# Altium PCB Gatorsynth_Sequencer.PcbDoc (part 1 of 3)
Units mm, origin at the board's own origin, x right, y up, seen from the top; angles counter-clockwise.
Board outline 320 x 113.4 mm, 2 copper layers (Top Layer, Bottom Layer); 245 components, 280 nets, 1041 pads, 279 vias.
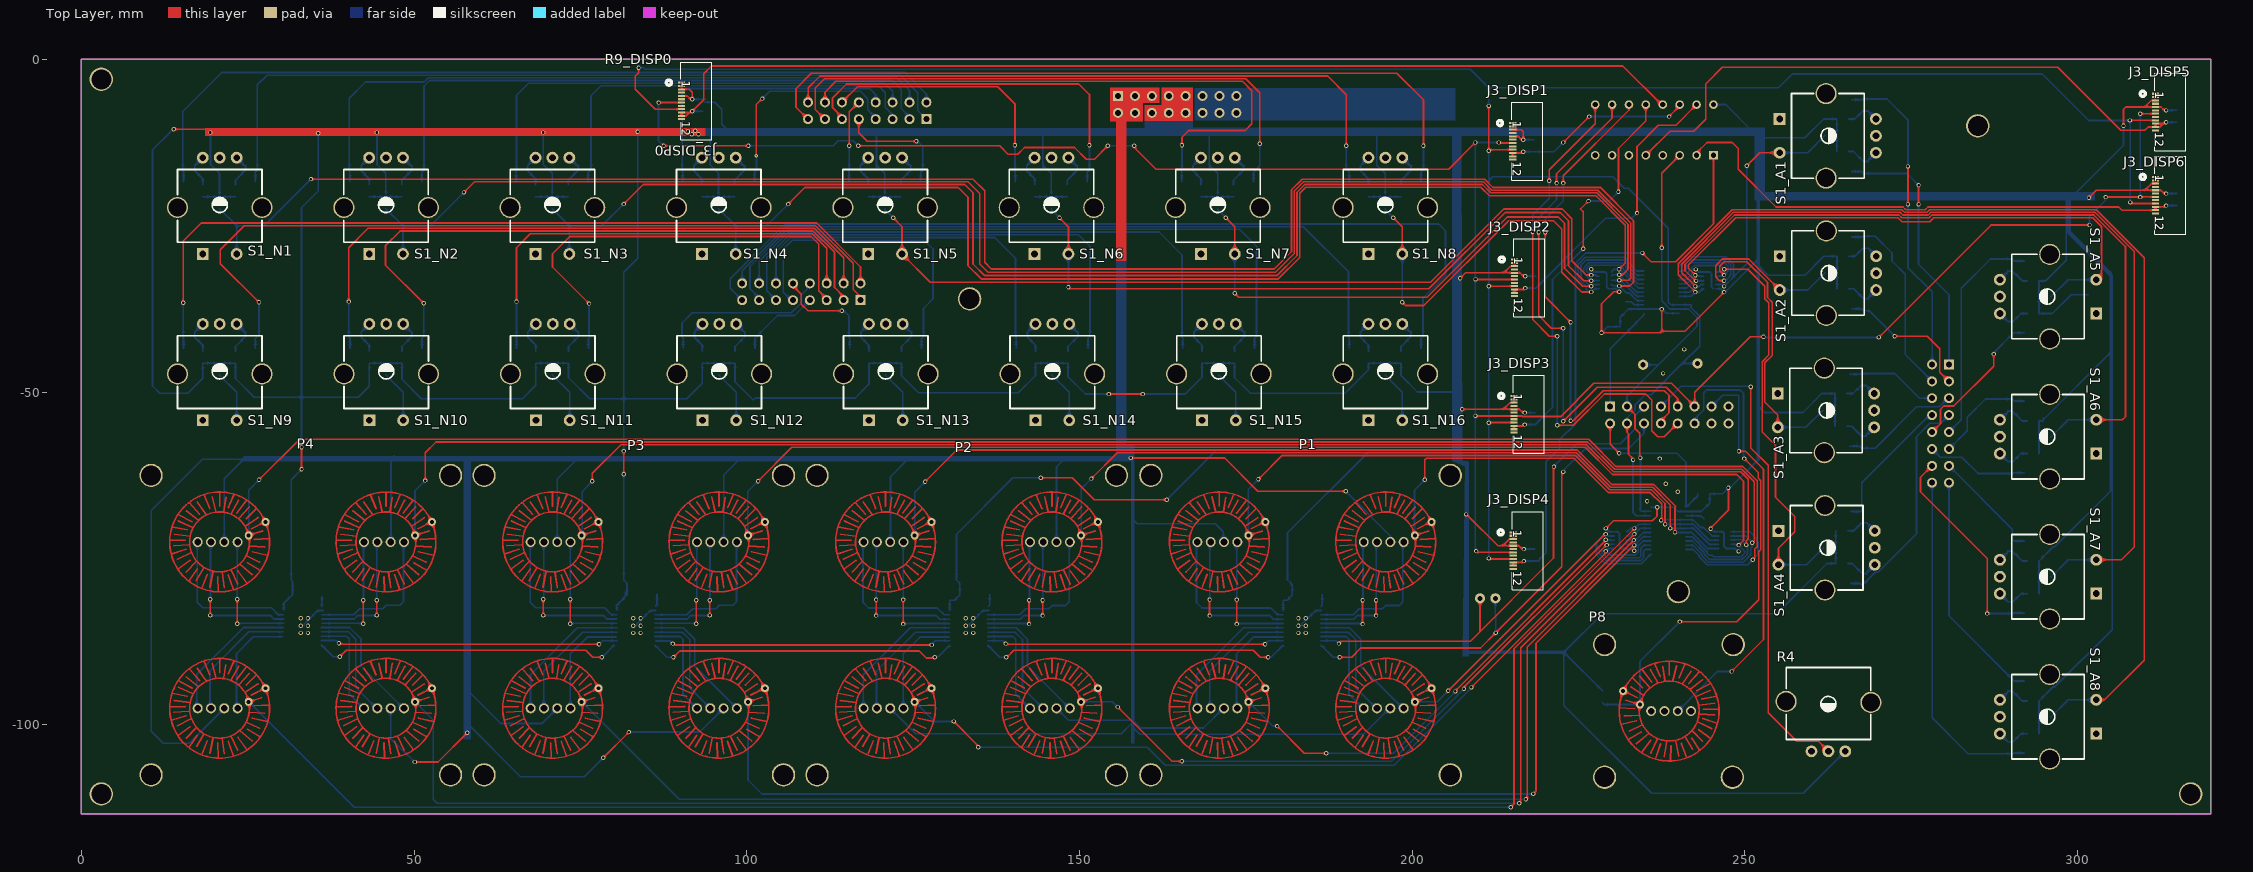
[diagram p0: Top Layer view]
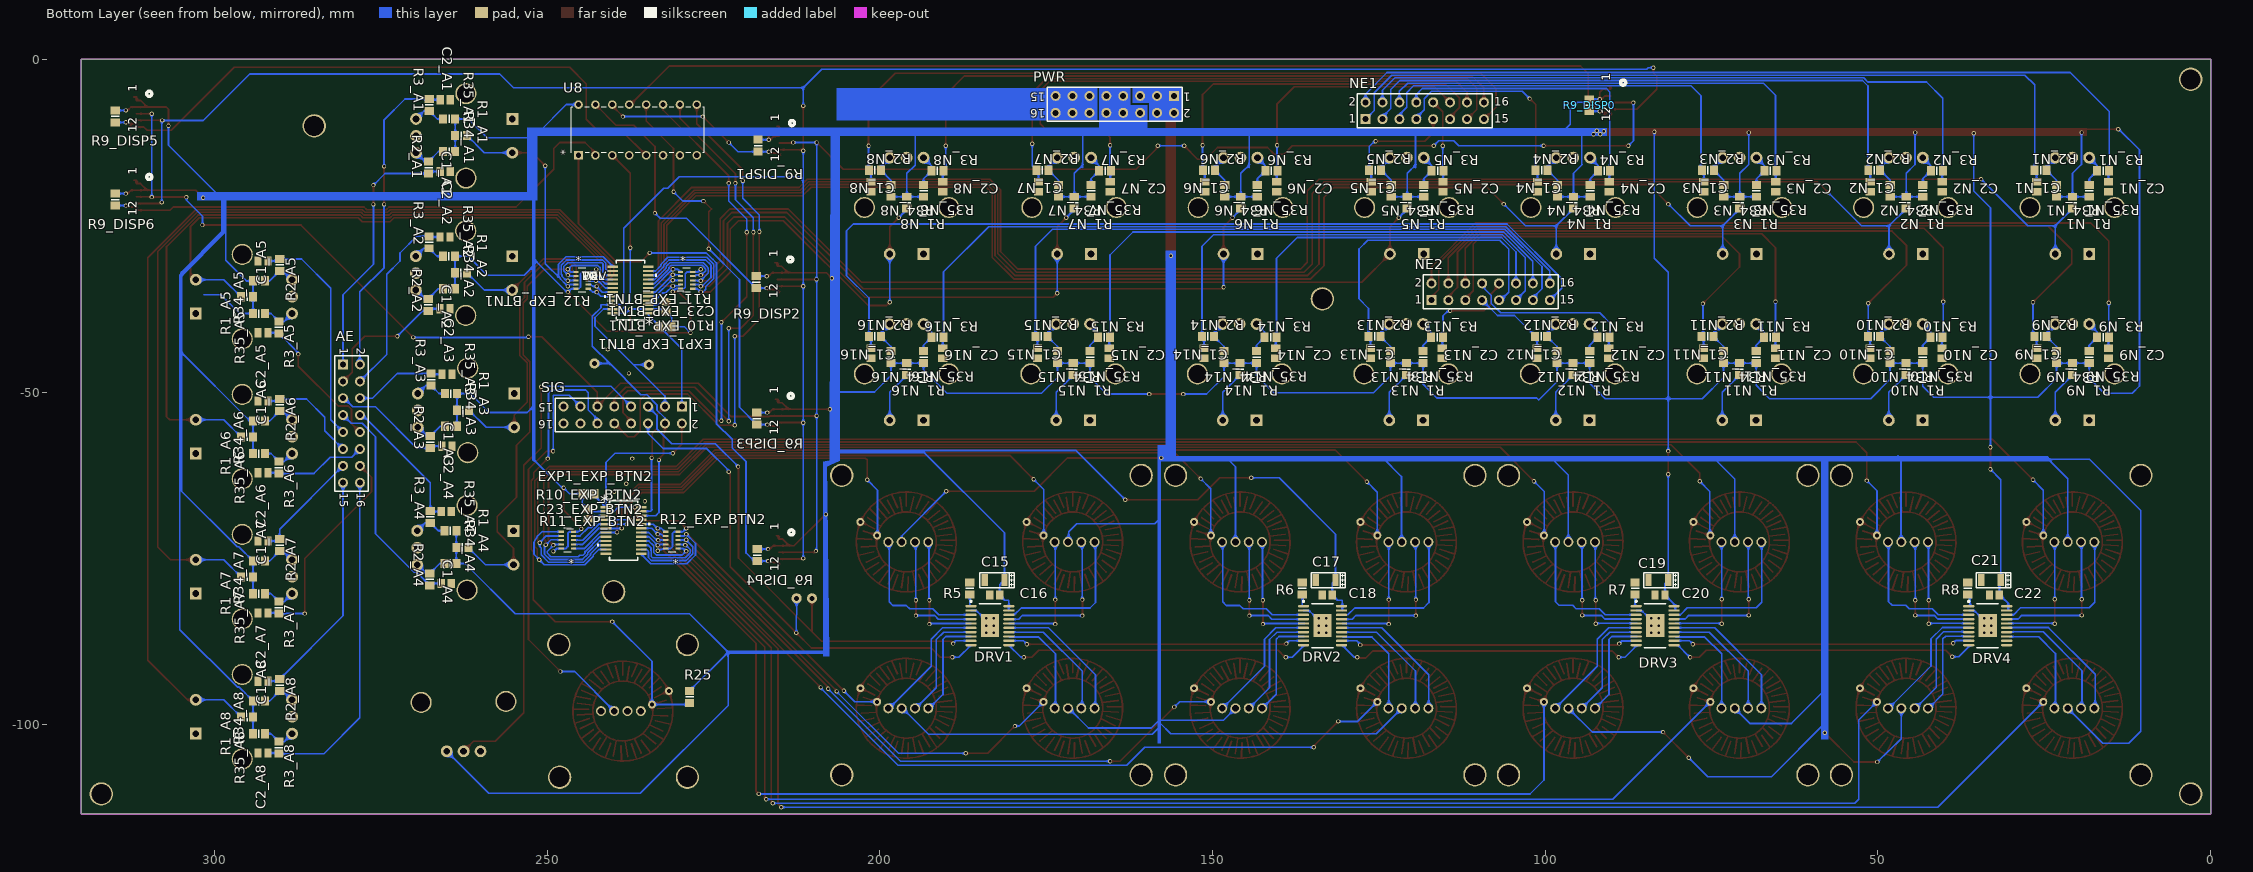
[diagram p1: Bottom Layer view, seen from below]

## Layer stack, top to bottom
Top Solder: solder mask 0.0102, Solder Resist, Dk 3.5
Top Layer: signal copper 0.0356
Dielectric 1: dielectric 0.32, FR-4, Dk 4.8
Bottom Layer: signal copper 0.0356
Bottom Solder: solder mask 0.0102, Solder Resist, Dk 3.5

## Board outline
0,-113.4 0,0 320,0 320,-113.4

## Design rules (kind name [scope] priority, off if disabled: settings)
Clearance [InPolygon] p1: gap=0.15
Clearance Clearance_1 [All] p2: gap=0.15
ComponentClearance [HasFootprint('BUTTONPAD-2X2') vs HasFootprint('BUTTONPAD-2X2')] p1: gap=0 collisioncheckmode=3 verticalgap=0 showdistances=FALSE
ComponentClearance ComponentClearance_1 [All] p2: gap=0.254 collisioncheckmode=3 verticalgap=0.254 showdistances=FALSE
PolygonConnect [All] p1: connectstyle=Relief reliefconductorwidth=0.254 reliefentries=4 polygonreliefangle="90 Angle" airgapwidth=0.254
RoomDefinition DISP0 [InComponentClass('DISP0')] p1: confinementstyle=ConfineIn formatcopy=TRUE lockcomponents=FALSE outline 95.101,0 87.5,0 87.5,-12.501 95.101,-12.501
RoomDefinition A1 [InComponentClass('A1')] p2: confinementstyle=ConfineIn formatcopy=TRUE lockcomponents=FALSE outline 270.95,-3.2 253.975,-3.2 253.975,-19.8 270.95,-19.8
RoomDefinition A2 [InComponentClass('A2')] p3: confinementstyle=ConfineIn formatcopy=TRUE lockcomponents=FALSE outline 270.975,-23.833 254,-23.833 254,-40.433 270.975,-40.433
RoomDefinition A3 [InComponentClass('A3')] p4: confinementstyle=ConfineIn formatcopy=TRUE lockcomponents=FALSE outline 270.675,-44.467 253.7,-44.467 253.7,-61.067 270.675,-61.067
RoomDefinition A4 [InComponentClass('A4')] p5: confinementstyle=ConfineIn formatcopy=TRUE lockcomponents=FALSE outline 270.775,-65.1 253.8,-65.1 253.8,-81.7 270.775,-81.7
RoomDefinition A5 [InComponentClass('A5')] p6: confinementstyle=ConfineIn formatcopy=TRUE lockcomponents=FALSE outline 304.1,-27.36 287.125,-27.36 287.125,-43.96 304.1,-43.96
RoomDefinition A6 [InComponentClass('A6')] p7: confinementstyle=ConfineIn formatcopy=TRUE lockcomponents=FALSE outline 304.1,-48.407 287.125,-48.407 287.125,-65.007 304.1,-65.007
RoomDefinition A7 [InComponentClass('A7')] p8: confinementstyle=ConfineIn formatcopy=TRUE lockcomponents=FALSE outline 304.1,-69.453 287.125,-69.453 287.125,-86.053 304.1,-86.053
RoomDefinition A8 [InComponentClass('A8')] p9: confinementstyle=ConfineIn formatcopy=TRUE lockcomponents=FALSE outline 304.1,-90.5 287.125,-90.5 287.125,-107.1 304.1,-107.1
RoomDefinition N16 [InComponentClass('N16')] p10: confinementstyle=ConfineIn formatcopy=TRUE lockcomponents=FALSE outline 187.675,-55.475 204.175,-55.475 204.175,-38.5 187.675,-38.5
RoomDefinition N6 [InComponentClass('N6')] p11: confinementstyle=ConfineIn formatcopy=TRUE lockcomponents=FALSE outline 137.5,-30.475 154,-30.475 154,-13.5 137.5,-13.5
RoomDefinition N8 [InComponentClass('N8')] p12: confinementstyle=ConfineIn formatcopy=TRUE lockcomponents=FALSE outline 187.675,-30.475 204.175,-30.475 204.175,-13.5 187.675,-13.5
RoomDefinition N9 [InComponentClass('N9')] p13: confinementstyle=ConfineIn formatcopy=TRUE lockcomponents=FALSE outline 12.5,-55.475 29,-55.475 29,-38.5 12.5,-38.5
RoomDefinition N10 [InComponentClass('N10')] p14: confinementstyle=ConfineIn formatcopy=TRUE lockcomponents=FALSE outline 37.525,-55.475 54.025,-55.475 54.025,-38.5 37.525,-38.5
RoomDefinition N12 [InComponentClass('N12')] p15: confinementstyle=ConfineIn formatcopy=TRUE lockcomponents=FALSE outline 87.575,-55.475 104.075,-55.475 104.075,-38.5 87.575,-38.5
RoomDefinition N11 [InComponentClass('N11')] p16: confinementstyle=ConfineIn formatcopy=TRUE lockcomponents=FALSE outline 62.55,-55.475 79.05,-55.475 79.05,-38.5 62.55,-38.5
RoomDefinition N13 [InComponentClass('N13')] p17: confinementstyle=ConfineIn formatcopy=TRUE lockcomponents=FALSE outline 112.6,-55.475 129.1,-55.475 129.1,-38.5 112.6,-38.5
RoomDefinition N14 [InComponentClass('N14')] p18: confinementstyle=ConfineIn formatcopy=TRUE lockcomponents=FALSE outline 137.625,-55.475 154.125,-55.475 154.125,-38.5 137.625,-38.5
RoomDefinition N15 [InComponentClass('N15')] p19: confinementstyle=ConfineIn formatcopy=TRUE lockcomponents=FALSE outline 162.65,-55.475 179.15,-55.475 179.15,-38.5 162.65,-38.5
RoomDefinition N7 [InComponentClass('N7')] p20: confinementstyle=ConfineIn formatcopy=TRUE lockcomponents=FALSE outline 162.5,-30.475 179,-30.475 179,-13.5 162.5,-13.5
RoomDefinition N1 [InComponentClass('N1')] p21: confinementstyle=ConfineIn formatcopy=TRUE lockcomponents=FALSE outline 12.5,-30.475 29,-30.475 29,-13.5 12.5,-13.5
RoomDefinition N2 [InComponentClass('N2')] p22: confinementstyle=ConfineIn formatcopy=TRUE lockcomponents=FALSE outline 37.5,-30.475 54,-30.475 54,-13.5 37.5,-13.5
RoomDefinition N3 [InComponentClass('N3')] p23: confinementstyle=ConfineIn formatcopy=TRUE lockcomponents=FALSE outline 62.5,-30.475 79,-30.475 79,-13.5 62.5,-13.5
RoomDefinition N4 [InComponentClass('N4')] p24: confinementstyle=ConfineIn formatcopy=TRUE lockcomponents=FALSE outline 87.5,-30.475 104,-30.475 104,-13.5 87.5,-13.5
RoomDefinition N5 [InComponentClass('N5')] p25: confinementstyle=ConfineIn formatcopy=TRUE lockcomponents=FALSE outline 112.5,-30.475 129,-30.475 129,-13.5 112.5,-13.5
RoomDefinition BTN [InComponentClass('BTN')] p26: confinementstyle=ConfineIn formatcopy=TRUE lockcomponents=FALSE outline -277.5,-405.9 -226.7,-405.9 -226.7,-380.5 -277.5,-380.5
RoomDefinition EXP_BTN2 [InComponentClass('EXP_BTN2')] p27: confinementstyle=ConfineIn formatcopy=TRUE lockcomponents=FALSE outline 226.4,-76.2 251.8,-76.2 251.8,-63.6 226.4,-63.6
RoomDefinition EXP_BTN1 [InComponentClass('EXP_BTN1')] p28: confinementstyle=ConfineIn formatcopy=TRUE lockcomponents=FALSE outline 249.575,-29.275 224.175,-29.275 224.175,-41.875 249.575,-41.875
RoomDefinition DISP6 [InComponentClass('DISP6')] p29: confinementstyle=ConfineIn formatcopy=TRUE lockcomponents=FALSE outline 316.601,-14.176 309,-14.176 309,-26.677 316.601,-26.677
RoomDefinition DISP5 [InComponentClass('DISP5')] p30: confinementstyle=ConfineIn formatcopy=TRUE lockcomponents=FALSE outline 316.601,-1.675 309,-1.675 309,-14.176 316.601,-14.176
RoomDefinition DISP4 [InComponentClass('DISP4')] p31: confinementstyle=ConfineIn formatcopy=TRUE lockcomponents=FALSE outline 220.101,-67.599 212.5,-67.599 212.5,-80.1 220.101,-80.1
RoomDefinition DISP3 [InComponentClass('DISP3')] p32: confinementstyle=ConfineIn formatcopy=TRUE lockcomponents=FALSE outline 220.201,-47.091 212.6,-47.091 212.6,-59.592 220.201,-59.592
RoomDefinition DISP2 [InComponentClass('DISP2')] p33: confinementstyle=ConfineIn formatcopy=TRUE lockcomponents=FALSE outline 220.276,-26.583 212.675,-26.583 212.675,-39.084 220.276,-39.084
RoomDefinition DISP1 [InComponentClass('DISP1')] p34: confinementstyle=ConfineIn formatcopy=TRUE lockcomponents=FALSE outline 220.001,-6.075 212.4,-6.075 212.4,-18.576 220.001,-18.576
RoutingVias [All] p1: holewidth=0.711 width=1.27 viastyle="Through Hole" minholewidth=0.711 minwidth=1.27 maxholewidth=0.711 maxwidth=1.27
SolderMaskExpansion [All] p1: expansion=0.102
Width [All] p1: maxlimit=2 minlimit=0.254 preferedwidth=0.254
29 further rules are at their usual default settings.

## Classes and differential pairs
channel class Ribbon_Connectors: RIB0 RIB1 RIB2 RIB3 RIB4
component class RIB3: AE
component class RIB2: NE2
component class RIB1: AE
component class Top_Level: P8 R25
channel class CV_Control: "CV Control1" "CV Control2"
channel class Displays: U_Displays1 U_Displays2 U_Displays3 U_Displays4 U_Displays5 U_Displays6 U_Displays7 U_Displays8
channel class Encoders: "AUX Encoders1" "AUX Encoders2" "AUX Encoders3" "AUX Encoders4" "AUX Encoders5" "AUX Encoders6" "AUX Encoders7" "AUX Encoders8" "NOTE Encoders1" "NOTE Encoders2" "NOTE Encoders3" "NOTE Encoders4" "NOTE Encoders5" "NOTE Encoders6" "NOTE Encoders7" "NOTE Encoders8" "NOTE Encoders9" "NOTE Encoders10" "NOTE Encoders11" "NOTE Encoders12" "NOTE Encoders13" "NOTE Encoders14" "NOTE Encoders15" "NOTE Encoders16"
channel class Expanders: ButtonExpanders NoteExpanders
channel class Gate_Control: "Gate Control1" "Gate Control2"
channel class Jack_Out: Jack_Out1 Jack_Out2 Jack_Out3 Jack_Out4 Jack_Out5 Jack_Out6 Jack_Out7 Jack_Out8 Jack_Out9
component class DISP1: J3_DISP1 R9_DISP1
component class DISP2: J3_DISP2 R9_DISP2
component class DISP3: J3_DISP3 R9_DISP3
component class DISP4: J3_DISP4 R9_DISP4
component class DISP5: J3_DISP5 R9_DISP5
component class DISP6: J3_DISP6 R9_DISP6
component class MUX: U8
component class A1: C1_A1 C2_A1 R1_A1 R2_A1 R3_A1 R34_A1 R35_A1 S1_A1
component class A2: C1_A2 C2_A2 R1_A2 R2_A2 R3_A2 R34_A2 R35_A2 S1_A2
component class A3: C1_A3 C2_A3 R1_A3 R2_A3 R3_A3 R34_A3 R35_A3 S1_A3
component class A4: C1_A4 C2_A4 R1_A4 R2_A4 R3_A4 R34_A4 R35_A4 S1_A4
component class A5: C1_A5 C2_A5 R1_A5 R2_A5 R3_A5 R34_A5 R35_A5 S1_A5
component class A6: C1_A6 C2_A6 R1_A6 R2_A6 R3_A6 R34_A6 R35_A6 S1_A6
component class A7: C1_A7 C2_A7 R1_A7 R2_A7 R3_A7 R34_A7 R35_A7 S1_A7
component class BTN: C15 C16 C17 C18 C19 C20 C21 C22 DRV1 DRV2 DRV3 DRV4 P1 P2 P3 R5 R6 R7 R8
component class DISP0: J3_DISP0 R9_DISP0
component class EXP_BTN1: C23_EXP_BTN1 EXP1_EXP_BTN1 R10_EXP_BTN1 R11_EXP_BTN1 R12_EXP_BTN1
component class EXP_BTN2: C23_EXP_BTN2 EXP1_EXP_BTN2 R10_EXP_BTN2 R11_EXP_BTN2 R12_EXP_BTN2
component class N1: C1_N1 C2_N1 R1_N1 R2_N1 R3_N1 R34_N1 R35_N1 S1_N1
component class N2: C1_N2 C2_N2 R1_N2 R2_N2 R3_N2 R34_N2 R35_N2 S1_N2
component class N3: C1_N3 C2_N3 R1_N3 R2_N3 R3_N3 R34_N3 R35_N3 S1_N3
component class N4: C1_N4 C2_N4 R1_N4 R2_N4 R3_N4 R34_N4 R35_N4 S1_N4
component class N5: C1_N5 C2_N5 R1_N5 R2_N5 R3_N5 R34_N5 R35_N5 S1_N5
component class N6: C1_N6 C2_N6 R1_N6 R2_N6 R3_N6 R34_N6 R35_N6 S1_N6
component class N7: C1_N7 C2_N7 R1_N7 R2_N7 R3_N7 R34_N7 R35_N7 S1_N7
component class N8: C1_N8 C2_N8 R1_N8 R2_N8 R3_N8 R34_N8 R35_N8 S1_N8
component class N9: C1_N9 C2_N9 R1_N9 R2_N9 R3_N9 R34_N9 R35_N9 S1_N9
component class N10: C1_N10 C2_N10 R1_N10 R2_N10 R3_N10 R34_N10 R35_N10 S1_N10
component class N11: C1_N11 C2_N11 R1_N11 R2_N11 R3_N11 R34_N11 R35_N11 S1_N11
component class N12: C1_N12 C2_N12 R1_N12 R2_N12 R3_N12 R34_N12 R35_N12 S1_N12
component class N13: C1_N13 C2_N13 R1_N13 R2_N13 R3_N13 R34_N13 R35_N13 S1_N13
component class N14: C1_N14 C2_N14 R1_N14 R2_N14 R3_N14 R34_N14 R35_N14 S1_N14
component class N15: C1_N15 C2_N15 R1_N15 R2_N15 R3_N15 R34_N15 R35_N15 S1_N15
component class PWR: C28 U7
component class A8: C1_A8 C2_A8 R1_A8 R2_A8 R3_A8 R34_A8 R35_A8 S1_A8
component class N16: C1_N16 C2_N16 R1_N16 R2_N16 R3_N16 R34_N16 R35_N16 S1_N16

## Components (designator, comment, footprint, x,y, rotation, side; value= is the part's Value field where it differs from the comment)
AE "Header 8X2" HDR2X8 280.675,-45.85 r270 bottom (schematic designator P9)
C1_A1 "A_LPF" C0805 265.322,-16.86 r0 bottom (schematic designator C1)
C1_A2 "A_LPF" C0805 265.347,-37.493 r0 bottom (schematic designator C1)
C1_A3 "A_LPF" C0805 265.047,-58.127 r0 bottom (schematic designator C1)
C1_A4 "A_LPF" C0805 265.147,-78.76 r0 bottom (schematic designator C1)
C1_A5 "A_LPF" C0805 292.7,-30.3 r180 bottom (schematic designator C1)
C1_A6 "A_LPF" C0805 292.7,-51.347 r180 bottom (schematic designator C1)
C1_A7 "A_LPF" C0805 292.7,-72.393 r180 bottom (schematic designator C1)
C1_A8 "A_LPF" C0805 292.7,-93.44 r180 bottom (schematic designator C1)
C1_N1 "A_LPF" C0805 26.16,-19.153 r90 bottom (schematic designator C1)
C1_N2 "A_LPF" C0805 51.16,-19.153 r90 bottom (schematic designator C1)
C1_N3 "A_LPF" C0805 76.16,-19.153 r90 bottom (schematic designator C1)
C1_N4 "A_LPF" C0805 101.16,-19.153 r90 bottom (schematic designator C1)
C1_N5 "A_LPF" C0805 126.16,-19.153 r90 bottom (schematic designator C1)
C1_N6 "A_LPF" C0805 151.16,-19.153 r90 bottom (schematic designator C1)
C1_N7 "A_LPF" C0805 176.16,-19.153 r90 bottom (schematic designator C1)
C1_N8 "A_LPF" C0805 201.335,-19.153 r90 bottom (schematic designator C1)
C1_N9 "A_LPF" C0805 26.16,-44.153 r90 bottom (schematic designator C1)
C1_N10 "A_LPF" C0805 51.185,-44.153 r90 bottom (schematic designator C1)
C1_N11 "A_LPF" C0805 76.21,-44.153 r90 bottom (schematic designator C1)
C1_N12 "A_LPF" C0805 101.235,-44.153 r90 bottom (schematic designator C1)
C1_N13 "A_LPF" C0805 126.26,-44.153 r90 bottom (schematic designator C1)
C1_N14 "A_LPF" C0805 151.285,-44.153 r90 bottom (schematic designator C1)
C1_N15 "A_LPF" C0805 176.31,-44.153 r90 bottom (schematic designator C1)
C1_N16 "A_LPF" C0805 201.335,-44.153 r90 bottom (schematic designator C1)
C2_A1 "B_LPF" C0805 265.322,-6.06 r0 bottom (schematic designator C2)
C2_A2 "B_LPF" C0805 265.347,-26.693 r0 bottom (schematic designator C2)
C2_A3 "B_LPF" C0805 265.047,-47.327 r0 bottom (schematic designator C2)
C2_A4 "B_LPF" C0805 265.147,-67.96 r0 bottom (schematic designator C2)
C2_A5 "B_LPF" C0805 292.7,-41.1 r180 bottom (schematic designator C2)
C2_A6 "B_LPF" C0805 292.7,-62.147 r180 bottom (schematic designator C2)
C2_A7 "B_LPF" C0805 292.7,-83.193 r180 bottom (schematic designator C2)
C2_A8 "B_LPF" C0805 292.7,-104.24 r180 bottom (schematic designator C2)
C2_N1 "B_LPF" C0805 15.36,-19.153 r90 bottom (schematic designator C2)
C2_N2 "B_LPF" C0805 40.36,-19.153 r90 bottom (schematic designator C2)
C2_N3 "B_LPF" C0805 65.36,-19.153 r90 bottom (schematic designator C2)
C2_N4 "B_LPF" C0805 90.36,-19.153 r90 bottom (schematic designator C2)
C2_N5 "B_LPF" C0805 115.36,-19.153 r90 bottom (schematic designator C2)
C2_N6 "B_LPF" C0805 140.36,-19.153 r90 bottom (schematic designator C2)
C2_N7 "B_LPF" C0805 165.36,-19.153 r90 bottom (schematic designator C2)
C2_N8 "B_LPF" C0805 190.535,-19.153 r90 bottom (schematic designator C2)
C2_N9 "B_LPF" C0805 15.36,-44.153 r90 bottom (schematic designator C2)
C2_N10 "B_LPF" C0805 40.385,-44.153 r90 bottom (schematic designator C2)
C2_N11 "B_LPF" C0805 65.41,-44.153 r90 bottom (schematic designator C2)
C2_N12 "B_LPF" C0805 90.435,-44.153 r90 bottom (schematic designator C2)
C2_N13 "B_LPF" C0805 115.46,-44.153 r90 bottom (schematic designator C2)
C2_N14 "B_LPF" C0805 140.485,-44.153 r90 bottom (schematic designator C2)
C2_N15 "B_LPF" C0805 165.51,-44.153 r90 bottom (schematic designator C2)
C2_N16 "B_LPF" C0805 190.535,-44.153 r90 bottom (schematic designator C2)
C15 "" AP1-00036 182.75,-78.25 r0 bottom
C16 "Cap" C0805 182.75,-80.5 r180 bottom
C17 "" AP1-00036 133,-78.25 r0 bottom
C18 "Cap" C0805 132.75,-80.5 r180 bottom
C19 "" AP1-00036 83,-78.25 r0 bottom
C20 "Cap" C0805 82.75,-80.5 r180 bottom
C21 "" AP1-00036 33,-78.25 r0 bottom
C22 "Cap" C0805 32.5,-80.5 r180 bottom
C23_EXP_BTN1 "Cap" C0805 232.129,-37.167 r90 bottom (schematic designator C23)
C23_EXP_BTN2 "Cap" C0805 243.846,-68.308 r270 bottom (schematic designator C23)
DRV1 "TLC5971PWPR" TI-PWP20-2965X2290TP_N 183.455,-85.107 r180 bottom
DRV2 "TLC5971PWPR" TI-PWP20-2965X2290TP_N 133.473,-85.107 r180 bottom
DRV3 "TLC5971PWPR" TI-PWP20-2965X2290TP_N 83.491,-85.107 r180 bottom
DRV4 "TLC5971PWPR" TI-PWP20-2965X2290TP_N 33.508,-85.107 r180 bottom
EXP1_EXP_BTN1 "MAX7314AEGT" 21-0055H_24 237.475,-34.675 r0 bottom (schematic designator EXP1)
EXP1_EXP_BTN2 "MAX7314AEGT" 21-0055H_24 238.5,-70.8 r180 bottom (schematic designator EXP1)
J3_DISP0 "1-1734839-2" CONN_1-1734592-2 90.201,-9 r270 top (schematic designator J3)
J3_DISP1 "1-1734839-2" CONN_1-1734592-2 215.101,-15.075 r270 top (schematic designator J3)
J3_DISP2 "1-1734839-2" CONN_1-1734592-2 215.376,-35.583 r270 top (schematic designator J3)
J3_DISP3 "1-1734839-2" CONN_1-1734592-2 215.301,-56.091 r270 top (schematic designator J3)
J3_DISP4 "1-1734839-2" CONN_1-1734592-2 215.201,-76.599 r270 top (schematic designator J3)
J3_DISP5 "1-1734839-2" CONN_1-1734592-2 311.701,-10.675 r270 top (schematic designator J3)
J3_DISP6 "1-1734839-2" CONN_1-1734592-2 311.701,-23.176 r270 top (schematic designator J3)
NE1 "Header 8X2" HDR2X8 127,-9 r180 bottom (schematic designator P9)
NE2 "Header 8X2" HDR2X8 117.1,-36.2 r180 bottom (schematic designator P9)
P1 "BUTTONPAD" BUTTONPAD-2X2 208.232,-109.902 r180 top locked
P2 "BUTTONPAD" BUTTONPAD-2X2 158.069,-109.902 r180 top locked
P3 "BUTTONPAD" BUTTONPAD-2X2 108.031,-109.902 r180 top locked
P4 "BUTTONPAD" BUTTONPAD-2X2 57.993,-109.902 r180 top locked
P8 "BUTTONPAD-1X1" BUTTONPAD-1X1 226.5,-110.3 r0 top
PWR "Header 8X2" HDR2X8 155.8,-5.5 r0 bottom (schematic designator P9)
R1_A1 "Button Pullup" 6-0805_N 262.922,-11.46 r180 bottom (schematic designator R1)
R1_A2 "Button Pullup" 6-0805_N 262.947,-32.093 r180 bottom (schematic designator R1)
R1_A3 "Button Pullup" 6-0805_N 262.647,-52.727 r180 bottom (schematic designator R1)
R1_A4 "Button Pullup" 6-0805_N 262.747,-73.36 r180 bottom (schematic designator R1)
R1_A5 "Button Pullup" 6-0805_N 295.1,-35.7 r0 bottom (schematic designator R1)
R1_A6 "Button Pullup" 6-0805_N 295.1,-56.747 r0 bottom (schematic designator R1)
R1_A7 "Button Pullup" 6-0805_N 295.1,-77.793 r0 bottom (schematic designator R1)
R1_A8 "Button Pullup" 6-0805_N 295.1,-98.84 r0 bottom (schematic designator R1)
R1_N1 "Button Pullup" 6-0805_N 20.76,-21.553 r270 bottom (schematic designator R1)
R1_N2 "Button Pullup" 6-0805_N 45.76,-21.553 r270 bottom (schematic designator R1)
R1_N3 "Button Pullup" 6-0805_N 70.76,-21.553 r270 bottom (schematic designator R1)
R1_N4 "Button Pullup" 6-0805_N 95.76,-21.553 r270 bottom (schematic designator R1)
R1_N5 "Button Pullup" 6-0805_N 120.76,-21.553 r270 bottom (schematic designator R1)
R1_N6 "Button Pullup" 6-0805_N 145.76,-21.553 r270 bottom (schematic designator R1)
R1_N7 "Button Pullup" 6-0805_N 170.76,-21.553 r270 bottom (schematic designator R1)
R1_N8 "Button Pullup" 6-0805_N 195.935,-21.553 r270 bottom (schematic designator R1)
R1_N9 "Button Pullup" 6-0805_N 20.76,-46.553 r270 bottom (schematic designator R1)
R1_N10 "Button Pullup" 6-0805_N 45.785,-46.553 r270 bottom (schematic designator R1)
R1_N11 "Button Pullup" 6-0805_N 70.81,-46.553 r270 bottom (schematic designator R1)
R1_N12 "Button Pullup" 6-0805_N 95.835,-46.553 r270 bottom (schematic designator R1)
R1_N13 "Button Pullup" 6-0805_N 120.86,-46.553 r270 bottom (schematic designator R1)
R1_N14 "Button Pullup" 6-0805_N 145.885,-46.553 r270 bottom (schematic designator R1)
R1_N15 "Button Pullup" 6-0805_N 170.91,-46.553 r270 bottom (schematic designator R1)
R1_N16 "Button Pullup" 6-0805_N 195.935,-46.553 r270 bottom (schematic designator R1)
R2_A1 "A_LPF" 6-0805_N 267.822,-16.26 r270 bottom (schematic designator R2)
R2_A2 "A_LPF" 6-0805_N 267.847,-36.893 r270 bottom (schematic designator R2)
R2_A3 "A_LPF" 6-0805_N 267.547,-57.527 r270 bottom (schematic designator R2)
R2_A4 "A_LPF" 6-0805_N 267.647,-78.16 r270 bottom (schematic designator R2)
R2_A5 "A_LPF" 6-0805_N 290.2,-30.9 r90 bottom (schematic designator R2)
R2_A6 "A_LPF" 6-0805_N 290.2,-51.947 r90 bottom (schematic designator R2)
R2_A7 "A_LPF" 6-0805_N 290.2,-72.993 r90 bottom (schematic designator R2)
R2_A8 "A_LPF" 6-0805_N 290.2,-94.04 r90 bottom (schematic designator R2)
R2_N1 "A_LPF" 6-0805_N 25.56,-16.653 r0 bottom (schematic designator R2)
R2_N2 "A_LPF" 6-0805_N 50.56,-16.653 r0 bottom (schematic designator R2)
R2_N3 "A_LPF" 6-0805_N 75.56,-16.653 r0 bottom (schematic designator R2)
R2_N4 "A_LPF" 6-0805_N 100.56,-16.653 r0 bottom (schematic designator R2)
R2_N5 "A_LPF" 6-0805_N 125.56,-16.653 r0 bottom (schematic designator R2)
R2_N6 "A_LPF" 6-0805_N 150.56,-16.653 r0 bottom (schematic designator R2)
R2_N7 "A_LPF" 6-0805_N 175.56,-16.653 r0 bottom (schematic designator R2)
R2_N8 "A_LPF" 6-0805_N 200.735,-16.653 r0 bottom (schematic designator R2)
R2_N9 "A_LPF" 6-0805_N 25.56,-41.653 r0 bottom (schematic designator R2)
R2_N10 "A_LPF" 6-0805_N 50.585,-41.653 r0 bottom (schematic designator R2)
R2_N11 "A_LPF" 6-0805_N 75.61,-41.653 r0 bottom (schematic designator R2)
R2_N12 "A_LPF" 6-0805_N 100.635,-41.653 r0 bottom (schematic designator R2)
R2_N13 "A_LPF" 6-0805_N 125.66,-41.653 r0 bottom (schematic designator R2)
R2_N14 "A_LPF" 6-0805_N 150.685,-41.653 r0 bottom (schematic designator R2)
R2_N15 "A_LPF" 6-0805_N 175.71,-41.653 r0 bottom (schematic designator R2)
R2_N16 "A_LPF" 6-0805_N 200.735,-41.653 r0 bottom (schematic designator R2)
R3_A1 "B_LPF" 6-0805_N 267.722,-6.86 r90 bottom (schematic designator R3)
R3_A2 "B_LPF" 6-0805_N 267.747,-27.493 r90 bottom (schematic designator R3)
R3_A3 "B_LPF" 6-0805_N 267.447,-48.127 r90 bottom (schematic designator R3)
R3_A4 "B_LPF" 6-0805_N 267.547,-68.76 r90 bottom (schematic designator R3)
R3_A5 "B_LPF" 6-0805_N 290.3,-40.3 r270 bottom (schematic designator R3)
R3_A6 "B_LPF" 6-0805_N 290.3,-61.347 r270 bottom (schematic designator R3)
R3_A7 "B_LPF" 6-0805_N 290.3,-82.393 r270 bottom (schematic designator R3)
R3_A8 "B_LPF" 6-0805_N 290.3,-103.44 r270 bottom (schematic designator R3)
R3_N1 "B_LPF" 6-0805_N 16.16,-16.753 r180 bottom (schematic designator R3)
R3_N2 "B_LPF" 6-0805_N 41.16,-16.753 r180 bottom (schematic designator R3)
R3_N3 "B_LPF" 6-0805_N 66.16,-16.753 r180 bottom (schematic designator R3)
R3_N4 "B_LPF" 6-0805_N 91.16,-16.753 r180 bottom (schematic designator R3)
R3_N5 "B_LPF" 6-0805_N 116.16,-16.753 r180 bottom (schematic designator R3)
R3_N6 "B_LPF" 6-0805_N 141.16,-16.753 r180 bottom (schematic designator R3)
R3_N7 "B_LPF" 6-0805_N 166.16,-16.753 r180 bottom (schematic designator R3)
R3_N8 "B_LPF" 6-0805_N 191.335,-16.753 r180 bottom (schematic designator R3)
R3_N9 "B_LPF" 6-0805_N 16.16,-41.753 r180 bottom (schematic designator R3)
R3_N10 "B_LPF" 6-0805_N 41.185,-41.753 r180 bottom (schematic designator R3)
R3_N11 "B_LPF" 6-0805_N 66.21,-41.753 r180 bottom (schematic designator R3)
R3_N12 "B_LPF" 6-0805_N 91.235,-41.753 r180 bottom (schematic designator R3)
R3_N13 "B_LPF" 6-0805_N 116.26,-41.753 r180 bottom (schematic designator R3)
R3_N14 "B_LPF" 6-0805_N 141.285,-41.753 r180 bottom (schematic designator R3)
R3_N15 "B_LPF" 6-0805_N 166.31,-41.753 r180 bottom (schematic designator R3)
R3_N16 "B_LPF" 6-0805_N 191.335,-41.753 r180 bottom (schematic designator R3)
R4 "*" "Potentiometer (NO SLOT)" 256.2,-91.3 r270 top
R5 "R1" 6-0805_N 186.5,-79.5 r270 bottom
R6 "R2" 6-0805_N 136.5,-79.5 r270 bottom
R7 "R3" 6-0805_N 86.5,-79.5 r270 bottom
R8 "R4" 6-0805_N 36.5,-79.5 r270 bottom
R9_DISP0 "" 6-0805_N 93.4,-6.901 r270 bottom (schematic designator R9)
R9_DISP1 "" 6-0805_N 218.3,-12.976 r270 bottom (schematic designator R9)
R9_DISP2 "" 6-0805_N 218.575,-33.484 r270 bottom (schematic designator R9)
R9_DISP3 "" 6-0805_N 218.5,-53.992 r270 bottom (schematic designator R9)
R9_DISP4 "" 6-0805_N 218.4,-74.5 r270 bottom (schematic designator R9)
R9_DISP5 "" 6-0805_N 314.9,-8.576 r270 bottom (schematic designator R9)
R9_DISP6 "" 6-0805_N 314.9,-21.077 r270 bottom (schematic designator R9)
R10_EXP_BTN1 "R5" 6-0805_N 232.175,-40.175 r180 bottom (schematic designator R10)
R10_EXP_BTN2 "R5" 6-0805_N 243.8,-65.3 r0 bottom (schematic designator R10)
R11_EXP_BTN1 "MNR15ERRPJ822" MNR15 229.029,-33.217 r180 bottom (schematic designator R11)
R11_EXP_BTN2 "MNR15ERRPJ822" MNR15 246.946,-72.258 r0 bottom (schematic designator R11)
R12_EXP_BTN1 "MNR15ERRPJ822" MNR15 244.729,-33.217 r180 bottom (schematic designator R12)
R12_EXP_BTN2 "MNR15ERRPJ822" MNR15 231.246,-72.258 r0 bottom (schematic designator R12)
R25 "R3" 6-0805_N 228.6,-95.8 r90 bottom
R34_A1 "A_Pullup" 6-0805_N 264.722,-13.86 r0 bottom (schematic designator R34)
R34_A2 "A_Pullup" 6-0805_N 264.747,-34.493 r0 bottom (schematic designator R34)
R34_A3 "A_Pullup" 6-0805_N 264.447,-55.127 r0 bottom (schematic designator R34)
R34_A4 "A_Pullup" 6-0805_N 264.547,-75.76 r0 bottom (schematic designator R34)
R34_A5 "A_Pullup" 6-0805_N 293.3,-33.3 r180 bottom (schematic designator R34)
R34_A6 "A_Pullup" 6-0805_N 293.3,-54.347 r180 bottom (schematic designator R34)
R34_A7 "A_Pullup" 6-0805_N 293.3,-75.393 r180 bottom (schematic designator R34)
R34_A8 "A_Pullup" 6-0805_N 293.3,-96.44 r180 bottom (schematic designator R34)
R34_N1 "A_Pullup" 6-0805_N 23.16,-19.753 r90 bottom (schematic designator R34)
R34_N2 "A_Pullup" 6-0805_N 48.16,-19.753 r90 bottom (schematic designator R34)
R34_N3 "A_Pullup" 6-0805_N 73.16,-19.753 r90 bottom (schematic designator R34)
R34_N4 "A_Pullup" 6-0805_N 98.16,-19.753 r90 bottom (schematic designator R34)
R34_N5 "A_Pullup" 6-0805_N 123.16,-19.753 r90 bottom (schematic designator R34)
R34_N6 "A_Pullup" 6-0805_N 148.16,-19.753 r90 bottom (schematic designator R34)
R34_N7 "A_Pullup" 6-0805_N 173.16,-19.753 r90 bottom (schematic designator R34)
R34_N8 "A_Pullup" 6-0805_N 198.335,-19.753 r90 bottom (schematic designator R34)
R34_N9 "A_Pullup" 6-0805_N 23.16,-44.753 r90 bottom (schematic designator R34)
R34_N10 "A_Pullup" 6-0805_N 48.185,-44.753 r90 bottom (schematic designator R34)
R34_N11 "A_Pullup" 6-0805_N 73.21,-44.753 r90 bottom (schematic designator R34)
R34_N12 "A_Pullup" 6-0805_N 98.235,-44.753 r90 bottom (schematic designator R34)
R34_N13 "A_Pullup" 6-0805_N 123.26,-44.753 r90 bottom (schematic designator R34)
R34_N14 "A_Pullup" 6-0805_N 148.285,-44.753 r90 bottom (schematic designator R34)
R34_N15 "A_Pullup" 6-0805_N 173.31,-44.753 r90 bottom (schematic designator R34)
R34_N16 "A_Pullup" 6-0805_N 198.335,-44.753 r90 bottom (schematic designator R34)
R35_A1 "B_Pullup" 6-0805_N 264.722,-8.96 r0 bottom (schematic designator R35)
R35_A2 "B_Pullup" 6-0805_N 264.747,-29.593 r0 bottom (schematic designator R35)
R35_A3 "B_Pullup" 6-0805_N 264.447,-50.227 r0 bottom (schematic designator R35)
R35_A4 "B_Pullup" 6-0805_N 264.547,-70.86 r0 bottom (schematic designator R35)
R35_A5 "B_Pullup" 6-0805_N 293.3,-38.2 r180 bottom (schematic designator R35)
R35_A6 "B_Pullup" 6-0805_N 293.3,-59.247 r180 bottom (schematic designator R35)
R35_A7 "B_Pullup" 6-0805_N 293.3,-80.293 r180 bottom (schematic designator R35)
R35_A8 "B_Pullup" 6-0805_N 293.3,-101.34 r180 bottom (schematic designator R35)
R35_N1 "B_Pullup" 6-0805_N 18.26,-19.753 r90 bottom (schematic designator R35)
R35_N2 "B_Pullup" 6-0805_N 43.26,-19.753 r90 bottom (schematic designator R35)
R35_N3 "B_Pullup" 6-0805_N 68.26,-19.753 r90 bottom (schematic designator R35)
R35_N4 "B_Pullup" 6-0805_N 93.26,-19.753 r90 bottom (schematic designator R35)
R35_N5 "B_Pullup" 6-0805_N 118.26,-19.753 r90 bottom (schematic designator R35)
R35_N6 "B_Pullup" 6-0805_N 143.26,-19.753 r90 bottom (schematic designator R35)
R35_N7 "B_Pullup" 6-0805_N 168.26,-19.753 r90 bottom (schematic designator R35)
R35_N8 "B_Pullup" 6-0805_N 193.435,-19.753 r90 bottom (schematic designator R35)
R35_N9 "B_Pullup" 6-0805_N 18.26,-44.753 r90 bottom (schematic designator R35)
R35_N10 "B_Pullup" 6-0805_N 43.285,-44.753 r90 bottom (schematic designator R35)
R35_N11 "B_Pullup" 6-0805_N 68.31,-44.753 r90 bottom (schematic designator R35)
R35_N12 "B_Pullup" 6-0805_N 93.335,-44.753 r90 bottom (schematic designator R35)
R35_N13 "B_Pullup" 6-0805_N 118.36,-44.753 r90 bottom (schematic designator R35)
R35_N14 "B_Pullup" 6-0805_N 143.385,-44.753 r90 bottom (schematic designator R35)
R35_N15 "B_Pullup" 6-0805_N 168.41,-44.753 r90 bottom (schematic designator R35)
R35_N16 "B_Pullup" 6-0805_N 193.435,-44.753 r90 bottom (schematic designator R35)
S1_A1 "Rotary Encoder" "Rotary Encoder SF" 255.222,-8.96 r0 top (schematic designator S1)
S1_A2 "Rotary Encoder" "Rotary Encoder SF" 255.247,-29.593 r0 top (schematic designator S1)
S1_A3 "Rotary Encoder" "Rotary Encoder SF" 254.947,-50.227 r0 top (schematic designator S1)
S1_A4 "Rotary Encoder" "Rotary Encoder SF" 255.047,-70.86 r0 top (schematic designator S1)
S1_A5 "Rotary Encoder" "Rotary Encoder SF" 302.8,-38.2 r180 top (schematic designator S1)
S1_A6 "Rotary Encoder" "Rotary Encoder SF" 302.8,-59.247 r180 top (schematic designator S1)
S1_A7 "Rotary Encoder" "Rotary Encoder SF" 302.8,-80.293 r180 top (schematic designator S1)
S1_A8 "Rotary Encoder" "Rotary Encoder SF" 302.8,-101.34 r180 top (schematic designator S1)
S1_N1 "Rotary Encoder" "Rotary Encoder SF" 18.26,-29.253 r90 top (schematic designator S1)
S1_N2 "Rotary Encoder" "Rotary Encoder SF" 43.26,-29.253 r90 top (schematic designator S1)
S1_N3 "Rotary Encoder" "Rotary Encoder SF" 68.26,-29.253 r90 top (schematic designator S1)
S1_N4 "Rotary Encoder" "Rotary Encoder SF" 93.26,-29.253 r90 top (schematic designator S1)
S1_N5 "Rotary Encoder" "Rotary Encoder SF" 118.26,-29.253 r90 top (schematic designator S1)
S1_N6 "Rotary Encoder" "Rotary Encoder SF" 143.26,-29.253 r90 top (schematic designator S1)
S1_N7 "Rotary Encoder" "Rotary Encoder SF" 168.26,-29.253 r90 top (schematic designator S1)
S1_N8 "Rotary Encoder" "Rotary Encoder SF" 193.435,-29.253 r90 top (schematic designator S1)
S1_N9 "Rotary Encoder" "Rotary Encoder SF" 18.26,-54.253 r90 top (schematic designator S1)
S1_N10 "Rotary Encoder" "Rotary Encoder SF" 43.285,-54.253 r90 top (schematic designator S1)
S1_N11 "Rotary Encoder" "Rotary Encoder SF" 68.31,-54.253 r90 top (schematic designator S1)
S1_N12 "Rotary Encoder" "Rotary Encoder SF" 93.335,-54.253 r90 top (schematic designator S1)
S1_N13 "Rotary Encoder" "Rotary Encoder SF" 118.36,-54.253 r90 top (schematic designator S1)
S1_N14 "Rotary Encoder" "Rotary Encoder SF" 143.385,-54.253 r90 top (schematic designator S1)
S1_N15 "Rotary Encoder" "Rotary Encoder SF" 168.41,-54.253 r90 top (schematic designator S1)
S1_N16 "Rotary Encoder" "Rotary Encoder SF" 193.435,-54.253 r90 top (schematic designator S1)
SIG "Header 8X2" HDR2X8 229.75,-52.175 r0 bottom (schematic designator P9)
U8 "CD4051BE" N16 227.5,-6.8 r90 bottom

## Footprints (in the part's own frame and the unit in brackets; to place one, negate y for a bottom-side part, rotate by r counter-clockwise, add the part's x,y. Pads: shape width x height; smd on the part's side, far side on the other; paste and mask are expansions set on the pad)
6-0805_N [mm] "Chip Resistor, Body 2.0x1.2mm, IPC Medium Density"
  rect 1.2x1.4 smd: 1(-0.9,0) 2(0.9,0)
  silkscreen extent 0,-0.6 0,0.6, body extent -1.07,-0.7 1.07,0.7, height 0.7
21-0055H_24 [mil]
  rect 63x14 smd: 1(-104.5,137.5) 2(-104.5,112.5) 3(-104.5,87.5) 4(-104.5,62.5) 5(-104.5,37.5) 6(-104.5,12.5) 7(-104.5,-12.5) 8(-104.5,-37.5) 9(-104.5,-62.5) 10(-104.5,-87.5) 11(-104.5,-112.5) 12(-104.5,-137.5) 13(104.5,-137.5) 14(104.5,-112.5) 15(104.5,-87.5) 16(104.5,-62.5) 17(104.5,-37.5) 18(104.5,-12.5) 19(104.5,12.5) 20(104.5,37.5) 21(104.5,62.5) 22(104.5,87.5) 23(104.5,112.5) 24(104.5,137.5)
  silkscreen extent -156,-177 156,177
AP1-00036 [mm]
  rect 0.95x1.75 smd: 1(-1.475,0) 2(1.475,0)
  silkscreen extent -2.95,-1.12 2.2,1.12, body extent -1.6,-0.8 1.6,0.8, height 1
BUTTONPAD-1X1 [mm]
  round 3.5 hole 3: 1(2.413,2.413) 1(2.413,22.352) 1(21.622,2.413) 1(21.749,22.352)
  round 1.5 hole 1: BLU1(15.413,12.352) GRN1(13.413,12.352) RED1(9.413,12.352) VCC1(11.413,12.352)
  round 1.2 hole 0.6: SIG1(5.201,15.365) SIG2(7.741,13.333)
  Top Layer lines w0.254: 4.633,12.862 6.933,12.722 ; 4.953,10.372 7.223,10.882 ; 5.273,15.392 7.333,14.352 ; 5.353,11.602 7.653,11.742 ; 5.636,13.993 7.653,13.352 ; 6.043,8.102 7.943,9.222 ; 6.103,9.332 8.103,10.272 ; 6.343,16.012 8.263,14.732 ; 6.613,17.352 8.113,15.852 ; 7.193,7.432 9.043,8.982 ; 7.673,17.592 9.203,15.902 ; 8.023,6.182 9.353,7.982 ; 8.103,18.552 9.523,16.712 ; 9.263,18.632 10.373,16.652 ; 9.383,6.042 10.373,8.132 ; 9.953,19.462 10.793,17.532 ; 10.083,5.272 10.823,7.402 ; 11.162,19.06 11.503,16.922 ; 11.403,5.512 11.743,7.782 ; 12.113,17.722 12.113,19.812 ; 12.333,4.912 12.403,7.142 ; 12.703,16.972 13.213,19.142 ; 13.103,7.892 13.553,5.592 ; 13.613,17.372 14.443,19.382 ; 13.963,7.472 14.703,5.542 ; 14.093,16.442 15.453,18.362 ; 14.523,8.452 15.661,6.602 ; 15.083,16.492 16.633,18.262 ; 15.293,15.612 17.123,17.052 ; 15.483,8.292 16.653,6.552 ; 15.613,9.412 17.123,7.832 ; 16.093,14.512 18.313,15.502 ; 16.253,15.402 18.263,16.472 ; 16.413,10.752 18.473,9.732 ; 16.553,9.572 18.283,8.292 ; 16.713,11.922 18.983,11.762 ; 17.003,14.172 19.223,14.592 ; 17.163,11.232 19.333,10.532 ; 17.293,12.622 19.493,12.592 ; 12.123,7.862 cw(c12.123,12.362) 16.542,13.215 ; 12.123,7.862 cw(c12.123,12.362) 16.542,13.215 ; 12.123,7.862 ccw(c12.123,12.362) 16.542,13.215 ; 12.123,7.862 ccw(c12.123,12.362) 16.542,13.215 ; 16.542,13.215 16.523,13.212 16.542,13.215 ; 16.542,13.215 18.923,13.532 16.542,13.215 ; 16.542,13.215 16.542,13.215 ; 16.542,13.215 16.542,13.215 ; 16.542,13.215 16.542,13.215 ; 5.253,15.385 ccw(c12.113,12.352) 19.613,12.352 ccw(c12.113,12.352) 5.253,15.385
BUTTONPAD-2X2 [mm]
  round 3.5 hole 3: 1(2.508,-2.373) 1(2.508,-47.373) 1(47.508,-2.373) 1(47.508,-47.373)
  round 1.5 hole 1: BLU1(15.508,-37.373) BLU2(40.508,-37.373) BLU3(15.508,-12.373) BLU4(40.508,-12.373) GRN1(13.508,-37.373) GRN2(38.508,-37.373) GRN3(13.508,-12.373) GRN4(38.508,-12.373) RED1(9.508,-37.373) RED2(34.508,-37.373) RED3(9.508,-12.373) RED4(34.508,-12.373) VCC1(11.508,-37.373) VCC2(36.508,-37.373) VCC3(11.508,-12.373) VCC4(36.508,-12.373)
  round 1.2 hole 0.6: SIG1(5.296,-40.386) SIG2(7.836,-38.354) SIG3(30.296,-40.386) SIG4(32.836,-38.354) SIG5(5.296,-15.386) SIG6(7.836,-13.354) SIG7(30.296,-15.386) SIG8(32.836,-13.354)
  Top Layer lines w0.254: 44.588,-12.613 42.388,-12.643 ; 44.588,-37.613 42.388,-37.643 ; 44.428,-10.553 42.258,-11.253 ; 44.428,-35.553 42.258,-36.253 ; 44.318,-14.613 42.098,-14.193 ; 44.318,-39.613 42.098,-39.193 ; 44.078,-11.783 41.808,-11.943 ; 44.078,-36.783 41.808,-36.943 ; 43.568,-9.753 41.508,-10.773 ; 43.568,-34.753 41.508,-35.773 ; 43.408,-15.523 41.188,-14.533 ; 43.408,-40.523 41.188,-39.533 ; 43.378,-8.313 41.648,-9.593 ; 43.378,-33.313 41.648,-34.593 ; 43.358,-16.493 41.348,-15.423 ; 43.358,-41.493 41.348,-40.423 ; 42.218,-7.853 40.708,-9.433 ; 42.218,-17.073 40.388,-15.633 ; 42.218,-32.853 40.708,-34.433 ; 42.218,-42.073 40.388,-40.633 ; 41.748,-6.573 40.578,-8.313 ; 41.748,-31.573 40.578,-33.313 ; 41.728,-18.283 40.178,-16.513 ; 41.728,-43.283 40.178,-41.513 ; 40.741,-31.55 39.618,-33.473 ; 40.671,-6.67 39.618,-8.473 ; 40.548,-18.383 39.188,-16.463 ; 40.548,-43.383 39.188,-41.463 ; 39.798,-5.563 39.058,-7.493 ; 39.798,-30.563 39.058,-32.493 ; 39.538,-19.403 38.708,-17.393 ; 39.538,-44.403 38.708,-42.393 ; 38.648,-5.613 38.198,-7.913 ; 38.648,-30.613 38.198,-32.913 ; 38.308,-19.163 37.798,-16.993 ; 38.308,-44.163 37.798,-41.993 ; 37.498,-7.163 37.428,-4.933 ; 37.498,-32.163 37.428,-29.933 ; 37.208,-17.743 37.208,-19.833 ; 37.208,-42.743 37.208,-44.833 ; 36.838,-7.803 36.498,-5.533 ; 36.838,-32.803 36.498,-30.533 ; 36.598,-16.943 36.283,-18.916 ; 36.598,-41.943 36.257,-44.078 ; 35.918,-7.423 35.178,-5.293 ; 35.918,-32.423 35.178,-30.293 ; 35.888,-17.553 35.048,-19.483 ; 35.888,-42.553 35.048,-44.483 ; 35.468,-8.153 34.478,-6.063 ; 35.468,-16.673 34.358,-18.653 ; 35.468,-33.153 34.478,-31.063 ; 35.468,-41.673 34.358,-43.653 ; 34.618,-16.733 33.198,-18.573 ; 34.618,-41.733 33.198,-43.573 ; 34.448,-8.003 33.118,-6.203 ; 34.448,-33.003 33.118,-31.203 ; 34.298,-15.923 32.768,-17.613 ; 34.298,-40.923 32.768,-42.613 ; 34.138,-9.003 32.288,-7.453 ; 34.138,-34.003 32.288,-32.453 ; 33.358,-14.753 31.438,-16.033 ; 33.358,-39.753 31.438,-41.033 ; 33.208,-15.873 31.708,-17.373 ; 33.208,-40.873 31.708,-42.373 ; 33.198,-10.293 31.198,-9.353 ; 33.198,-35.293 31.198,-34.353 ; 33.038,-9.243 31.138,-8.123 ; 33.038,-34.243 31.138,-33.123 ; 32.748,-11.763 30.448,-11.623 ; 32.748,-13.373 30.906,-13.958 ; 32.748,-36.763 30.448,-36.623 ; 32.748,-38.373 30.748,-39.008 ; 32.428,-14.373 30.368,-15.413 ; 32.428,-39.373 30.368,-40.413 ; 32.318,-10.903 30.048,-10.393 ; 32.318,-35.903 30.048,-35.393 ; 32.028,-12.743 29.728,-12.883 ; 32.028,-37.743 29.728,-37.883 ; 19.588,-12.613 17.388,-12.643 ; 19.588,-37.613 17.388,-37.643 ; 19.428,-10.553 17.258,-11.253 ; 19.428,-35.553 17.258,-36.253 ; 19.318,-14.613 17.098,-14.193 ; 19.318,-39.613 17.098,-39.193 ; 19.078,-11.783 16.808,-11.943 ; 19.078,-36.783 16.808,-36.943 ; 18.568,-9.753 16.508,-10.773 ; 18.568,-34.753 16.508,-35.773 ; 18.408,-15.523 16.188,-14.533 ; 18.408,-40.523 16.188,-39.533 ; 18.378,-8.313 16.648,-9.593 ; 18.378,-33.313 16.648,-34.593 ; 18.358,-16.493 16.348,-15.423 ; 18.358,-41.493 16.348,-40.423 ; 17.218,-7.853 15.708,-9.433 ; 17.218,-17.073 15.388,-15.633 ; 17.218,-32.853 15.708,-34.433 ; 17.218,-42.073 15.388,-40.633 ; 16.748,-6.573 15.578,-8.313 ; 16.748,-31.573 15.578,-33.313 ; 16.728,-18.283 15.178,-16.513 ; 16.728,-43.283 15.178,-41.513 ; 15.756,-6.604 14.618,-8.473 ; 15.756,-31.623 14.618,-33.473 ; 15.548,-18.383 14.188,-16.463 ; 15.548,-43.383 14.188,-41.463 ; 14.798,-5.563 14.058,-7.493 ; 14.798,-30.563 14.058,-32.493 ; 14.538,-19.403 13.708,-17.393 ; 14.538,-44.403 13.708,-42.393 ; 13.648,-5.613 13.198,-7.913 ; 13.648,-30.613 13.198,-32.913 ; 13.308,-19.163 12.798,-16.993 ; 13.308,-44.163 12.798,-41.993 ; 12.498,-7.163 12.428,-4.933 ; 12.498,-32.163 12.428,-29.933 ; 12.208,-17.743 12.208,-19.833 ; 12.208,-42.743 12.208,-44.833 ; 11.838,-7.803 11.498,-5.533 ; 11.838,-32.803 11.498,-30.533 ; 11.598,-16.943 11.243,-19.166 ; 11.598,-41.943 11.257,-44.081 ; 10.918,-7.423 10.178,-5.293 ; 10.918,-32.423 10.178,-30.293 ; 10.888,-17.553 10.048,-19.483 ; 10.888,-42.553 10.048,-44.483 ; 10.468,-8.153 9.478,-6.063 ; 10.468,-16.673 9.358,-18.653 ; 10.468,-33.153 9.478,-31.063 ; 10.468,-41.673 9.358,-43.653 ; 9.618,-16.733 8.198,-18.573 ; 9.618,-41.733 8.198,-43.573 ; 9.448,-8.003 8.118,-6.203 ; 9.448,-33.003 8.118,-31.203 ; 9.298,-15.923 7.768,-17.613 ; 9.298,-40.923 7.768,-42.613 ; 9.138,-9.003 7.288,-7.453 ; 9.138,-34.003 7.288,-32.453 ; 8.358,-14.753 6.438,-16.033 ; 8.358,-39.753 6.438,-41.033 ; 8.208,-15.873 6.708,-17.373 ; 8.208,-40.873 6.708,-42.373 ; 8.198,-10.293 6.198,-9.353 ; 8.198,-35.293 6.198,-34.353 ; 8.038,-9.243 6.138,-8.123 ; 8.038,-34.243 6.138,-33.123 ; 7.748,-11.763 5.448,-11.623 ; 7.748,-13.373 5.736,-14.012 ; 7.748,-36.763 5.448,-36.623 ; 7.748,-38.373 5.731,-39.014 ; 7.428,-14.373 5.368,-15.413 ; 7.428,-39.373 5.368,-40.413 ; 7.318,-10.903 5.048,-10.393 ; 7.318,-35.903 5.048,-35.393 ; 7.028,-12.743 4.728,-12.883 ; 7.028,-37.743 4.728,-37.883 ; 41.637,-13.235 cw(c37.218,-12.383) 37.218,-7.883 ; 41.637,-13.235 cw(c37.218,-12.383) 37.218,-7.883 ; 41.637,-13.235 ccw(c37.218,-12.383) 37.218,-7.883 ; 41.637,-13.235 ccw(c37.218,-12.383) 37.218,-7.883 ; 41.637,-13.235 41.618,-13.233 41.637,-13.235 ; 41.637,-13.235 44.018,-13.553 41.637,-13.235 ; 41.637,-13.235 41.637,-13.235 ; 41.637,-13.235 41.637,-13.235 ; 41.637,-13.235 41.637,-13.235 ; 41.637,-38.236 ccw(c37.218,-37.383) 37.218,-32.883 ; 41.637,-38.236 cw(c37.218,-37.383) 37.218,-32.883 ; 41.637,-38.236 cw(c37.218,-37.383) 37.218,-32.883 ; 41.637,-38.236 ccw(c37.218,-37.383) 37.218,-32.883 ; 41.637,-38.236 44.018,-38.553 41.637,-38.236 ; 41.637,-38.236 41.618,-38.233 41.637,-38.236 ; 41.637,-38.236 41.637,-38.236 ; 41.637,-38.236 41.637,-38.236 ; 41.637,-38.236 41.637,-38.236 ; 16.637,-13.235 cw(c12.218,-12.383) 12.218,-7.883 ; 16.637,-13.235 cw(c12.218,-12.383) 12.218,-7.883 ; 16.637,-13.235 ccw(c12.218,-12.383) 12.218,-7.883 ; 16.637,-13.235 ccw(c12.218,-12.383) 12.218,-7.883 ; 16.637,-13.235 16.618,-13.233 16.637,-13.235 ; 16.637,-13.235 19.018,-13.553 16.637,-13.235 ; 16.637,-13.235 16.637,-13.235 ; 16.637,-13.235 16.637,-13.235 ; 16.637,-13.235 16.637,-13.235 ; 16.637,-38.236 ccw(c12.218,-37.383) 12.218,-32.883 ; 16.637,-38.236 cw(c12.218,-37.383) 12.218,-32.883 ; 16.637,-38.236 cw(c12.218,-37.383) 12.218,-32.883 ; 16.637,-38.236 ccw(c12.218,-37.383) 12.218,-32.883 ; 16.637,-38.236 19.018,-38.553 16.637,-38.236 ; 16.637,-38.236 16.618,-38.233 16.637,-38.236 ; 16.637,-38.236 16.637,-38.236 ; 16.637,-38.236 16.637,-38.236 ; 16.637,-38.236 16.637,-38.236 ; 30.348,-15.406 ccw(c37.208,-12.373) 29.708,-12.373 ccw(c37.208,-12.373) 30.348,-15.406 ; 30.348,-40.406 ccw(c37.208,-37.373) 29.708,-37.373 ccw(c37.208,-37.373) 30.348,-40.406 ; 5.349,-15.406 ccw(c12.208,-12.373) 4.708,-12.373 ccw(c12.208,-12.373) 5.349,-15.406 ; 5.349,-40.406 ccw(c12.208,-37.373) 4.708,-37.373 ccw(c12.208,-37.373) 5.349,-40.406
C0805 [mm] "Chip Capacitor, Body 2.0x1.3mm, IPC High Density"
  rect 1.1x1.4 smd: 1(-0.75,0) 2(0.75,0)
  body extent -1.1,-0.72 1.1,0.72, height 1.4
CONN_1-1734592-2 [mil]
  rect 12x43 smd: 1(-216.54,0) 2(-196.85,0) 3(-177.17,0) 4(-157.48,0) 5(-137.8,0) 6(-118.11,0) 7(-98.43,0) 8(-78.74,0) 9(-59.06,0) 10(-39.37,0) 11(-19.69,0) 12(0,0)
  silkscreen extent -338,-90 122,178, body extent 0,0 10,10, height 10
HDR2X8 [mm] "Connector; Header; 8x2 Position"
  rect 1.5x1.5 hole 0.9: 1(0,0)
  round 1.5 hole 0.9: 2(0,2.54) 3(2.54,0) 4(2.54,2.54) 5(5.08,0) 6(5.08,2.54) 7(7.62,0) 8(7.62,2.54) 9(10.16,0) 10(10.16,2.54) 11(12.7,0) 12(12.7,2.54) 13(15.24,0) 14(15.24,2.54) 15(17.78,0) 16(17.78,2.54)
  silkscreen extent -1.27,-1.27 19.05,3.81
MNR15 [mil]
  rect 31x13 smd paste+0 mask+0: 1(-36,50) 2(-36,25) 3(-36,0) 4(-36,-25) 5(-36,-50) 6(36,-50) 7(36,-25) 8(36,0) 9(36,25) 10(36,50)
  silkscreen extent -22,-72 22,71, body extent 0,0 10,10, height 10
N16 [mil]
  rect 51x51 / inner round 60 / far side rect 51x51 hole 31 paste+0 mask+0: 1(-300,700)
  round 51 / inner round 60 / far side round 51 hole 31 paste+0 mask+0: 2(-300,600) 3(-300,500) 4(-300,400) 5(-300,300) 6(-300,200) 7(-300,100) 8(-300,0) 9(0,0) 10(0,100) 11(0,200) 12(0,300) 13(0,400) 14(0,500) 15(0,600) 16(0,700)
  silkscreen extent -285,-42 -15,743, body extent 0,0 10,10, height 10
"Potentiometer (NO SLOT)" [mil]
  round 70 hole 40: 1(499.72,150) 2(499.72,250) 3(499.72,350)
  round 125 hole 107: 6(204.72,0) 7(210,501.06)
  silkscreen extent 4,0 430,500
"Rotary Encoder SF" [mil]
  rect 70x70 hole 40: 1(0,0)
  round 70 hole 40: 2(0,-200) 3(570,-200) 4(570,-100) 5(570,0)
  round 125 hole 107: 6(275,-350) 7(275,150)
  silkscreen extent 70,-350 500,150
TI-PWP20-2965X2290TP_N [mm] "SOP, 20-Leads, Body 6.5x4.4mm, Pitch 0.65mm, Thermal Pad 2.965x2.29mm, IPC Medium Density"
  oval 1.7x0.35 smd: 1(-2.85,2.925) 2(-2.85,2.275) 3(-2.85,1.625) 4(-2.85,0.975) 5(-2.85,0.325) 6(-2.85,-0.325) 7(-2.85,-0.975) 8(-2.85,-1.625) 9(-2.85,-2.275) 10(-2.85,-2.925) 11(2.85,-2.925) 12(2.85,-2.275) 13(2.85,-1.625) 14(2.85,-0.975) 15(2.85,-0.325) 16(2.85,0.325) 17(2.85,0.975) 18(2.85,1.625) 19(2.85,2.275) 20(2.85,2.925)
  rect 2.75x3.43 smd: 21(0,0)
  silkscreen extent -2.98,-3.3 1.6,3.77, body extent -2.25,-3.3 2.25,3.3, height 1.2